# KiCad board Kanagawa_rgb_pico.kicad_pcb (continued)
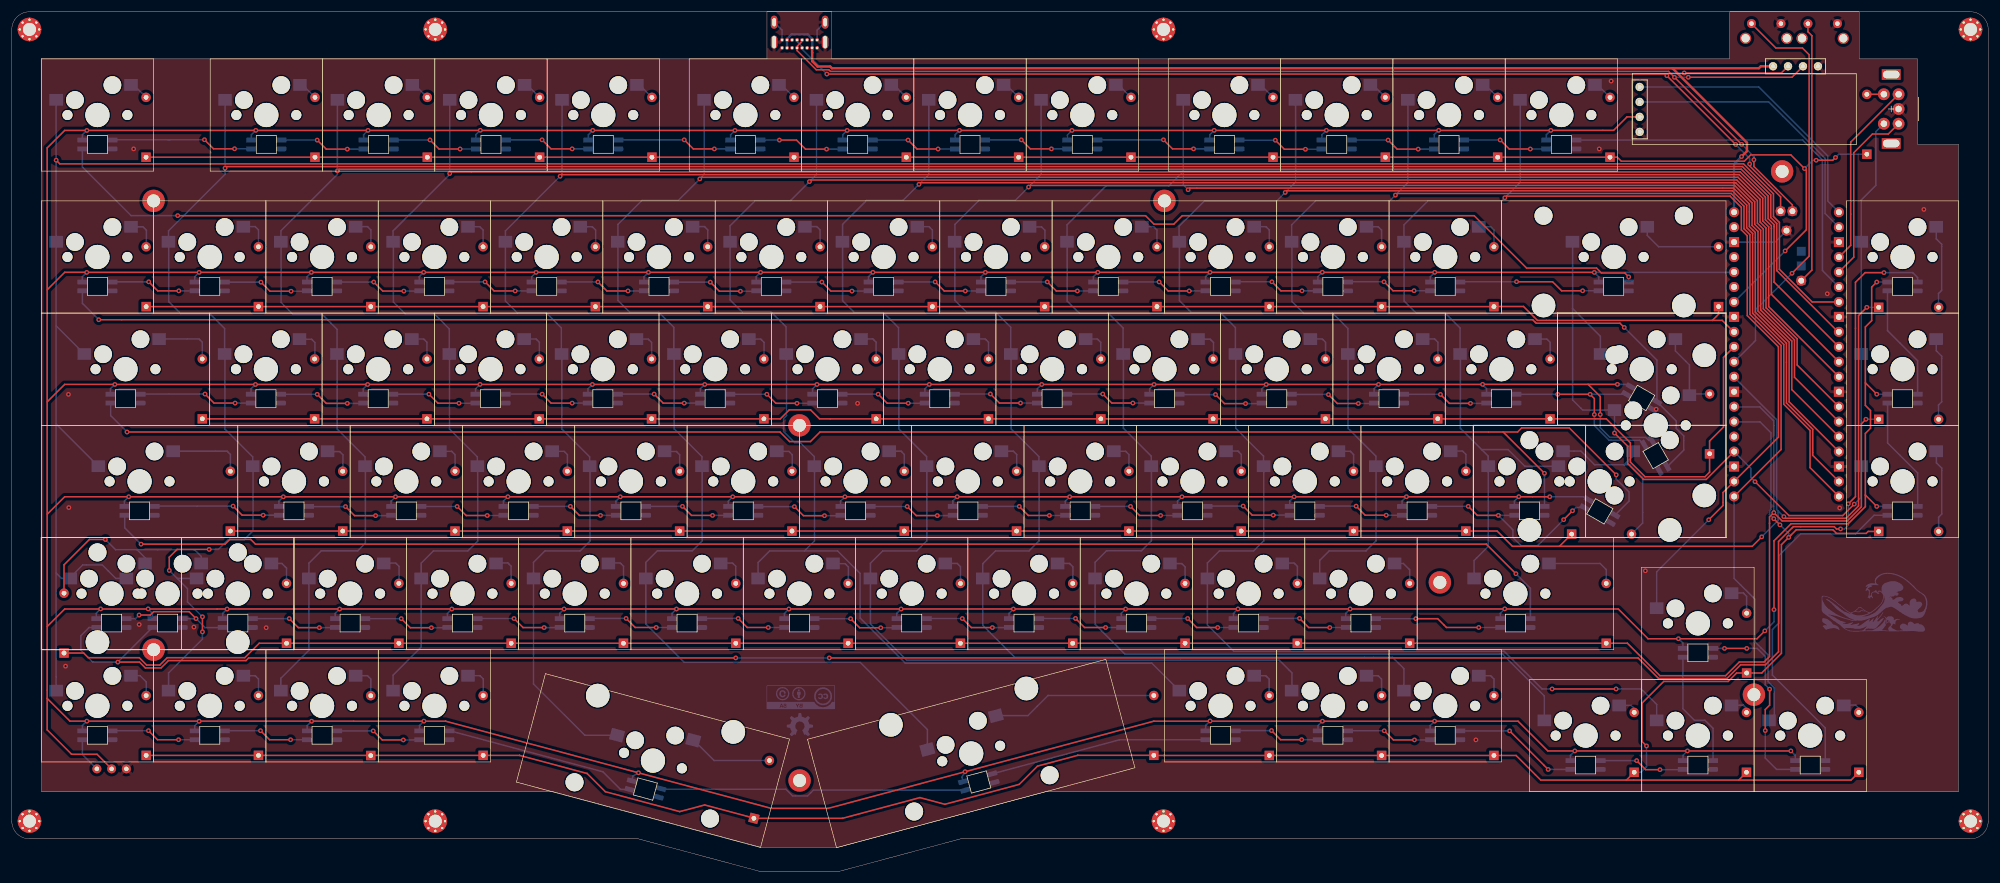
[diagram p0: board, top side]
## Routing (per net, layer and track width the routed paths; a pad name or vN(x,y) marks a point on that pad's centre or on a via; arc(x,y) is an arc through that point) (continued)
col04: length 378.4
  Top w0.254: U0.12 297.99,95.85 297.99,109.39 296.98,110.4 296.98,114.25 292.98,118.26 93.28,118.26 93,117.98 v1(93,117.98)
  Bottom w0.254: 93.29,87.71 93.29,75.06 98.01,70.34 KD4.1 ; 83.73,106.86 83.73,108.71 93.32,118.3 93.32,130.95 ; 93.21,87.81 93.21,92.23 90.67,94.77 85.75,94.77 83.72,96.8 83.72,106.85 ; KF4.1 97.19,23.08 88.49,31.78 KE4.1 88.49,52.44 90.43,54.38 96.41,54.38 98.07,56.04 98.07,68.69
col05: length 395.5
  Top w0.254: v1(116.69,117.53) 116.97,117.8 292.79,117.8 296.53,114.06 296.53,110.21 297.54,109.2 297.54,95.66 302.82,90.38 302.82,85.94 U0.14
  Bottom w0.254: 117.1,68.73 117.1,56.08 115.41,54.39 109.5,54.39 107.54,52.43 KE5.1 ; 102.81,106.88 102.81,109.8 106.89,113.88 113.04,113.88 v1(116.69,117.53) 117.44,118.27 117.44,130.92 ; 107.54,49.7 107.54,41.97 114.05,35.46 143.89,35.46 155.3,24.05 KF5.1 ; 102.8,106.96 102.8,96.91 104.83,94.88 109.75,94.88 112.29,92.34 112.29,87.92 ; KD5.1 117.06,70.38 112.35,75.09 112.35,87.74
col06: length 391.3
  Top w0.254: U0.15 302.37,83.85 302.37,90.19 297.08,95.47 297.08,109.01 296.08,110.01 296.08,113.84 292.58,117.34 135.56,117.34 v1(135.29,117.07)
  Bottom w0.254: KF6.1 193.36,35.32 151.55,35.32 143.89,42.98 143.89,50.55 140.06,54.38 134.44,54.38 ; 134.44,54.38 136.15,56.08 136.15,68.73 ; 134.44,54.38 128.55,54.38 126.59,52.42 KE6.1 ; 131.33,87.99 131.33,92.41 128.79,94.95 123.87,94.95 121.84,96.98 121.84,107.03 ; 136.49,130.92 136.49,118.27 v1(135.29,117.07) 132.07,113.85 132.07,113.83 126.09,113.83 121.83,109.57 121.83,106.86 ; KD6.1 136.11,70.38 133.75,72.75 132.81,72.75 130.9,74.66 130.9,76.83 131.4,77.33 131.4,87.74
col07: length 381.5
  Top w0.254: U0.16 301.91,81.77 301.91,90 296.63,95.29 296.63,108.81 295.62,109.82 295.62,113.65 292.39,116.88 154.14,116.88 v1(153.87,116.61)
  Bottom w0.254: 155.2,68.73 155.2,56.08 153.5,54.38 147.73,54.38 145.64,52.29 KE7.1 ; 140.91,106.88 140.91,109.8 144.99,113.88 151.15,113.88 v1(153.87,116.61) 155.54,118.28 ; 145.64,49.7 145.64,41.97 151.77,35.84 214.96,35.84 217.13,33.67 217.13,30.68 ; KD7.1 155.16,70.38 150.45,75.09 150.45,87.74 ; 155.54,118.27 155.54,130.92 ; 150.4,87.85 150.4,92.27 147.86,94.81 142.94,94.81 140.91,96.84 140.91,106.89
col08: length 365.4
  Top w0.254: U0.17 301.46,79.68 301.46,89.81 296.17,95.1 296.17,108.62 295.17,109.63 295.17,113.46 292.21,116.42 172.73,116.42 v1(172.46,116.15)
  Bottom w0.254: 236.11,30.66 236.11,34.4 234.19,36.32 170.11,36.32 164.69,41.74 164.69,49.71 ; 159.96,106.88 159.96,109.8 164.04,113.88 170.19,113.88 v1(172.46,116.15) 174.59,118.28 ; 159.95,106.97 159.95,96.91 161.98,94.88 166.9,94.88 169.44,92.34 169.44,87.93 ; 169.5,87.74 169.5,75.09 174.21,70.38 KD8.1 ; 174.25,68.73 174.25,56.08 172.53,54.37 166.85,54.37 164.69,52.21 KE8.1 ; 174.59,118.27 174.59,130.92
col09: length 358.3
  Top w0.254: U0.19 305.46,70.6 305.46,75.02 301,79.48 301,89.62 295.72,94.91 295.72,108.44 294.71,109.44 294.71,113.27 292.02,115.97 199.79,115.97 v1(199.52,115.69)
  Bottom w0.254: 198.7,118.78 196.26,116.34 185.59,116.34 178.98,109.72 178.98,106.8 ; 198.7,118.78 198.7,130.93 ; 198.7,118.78 198.7,116.51 v1(199.52,115.69) ; KF9.1 259.94,29.75 252.85,36.84 188.81,36.84 183.75,41.9 183.75,49.71 ; KE9.1 183.74,52.45 185.69,54.4 191.6,54.4 193.3,56.09 193.3,68.74 ; 179.01,106.84 179.01,96.78 181.04,94.75 185.96,94.75 188.5,92.21 188.5,87.8 ; KD9.1 193.26,70.46 188.55,75.17 188.55,87.82
col10: length 340.5
  Top w0.254: U0.20 305.01,68.51 305.01,74.82 300.55,79.28 300.55,89.43 295.27,94.71 295.27,108.25 294.26,109.25 294.26,113.08 291.83,115.51 216.26,115.51 v1(215.99,115.23) ; v1(261.26,30.94) v1(272.11,30.94)
  Bottom w0.254: v1(272.11,30.94) 276.37,30.94 278.99,28.32 278.99,25.62 ; v1(261.26,30.94) 259.56,30.94 254.58,35.88 253.12,37.34 207.26,37.34 202.79,41.81 KE10.1 202.79,52.33 204.84,54.38 210.63,54.38 212.35,56.09 212.35,68.74 ; KD10.1 212.31,70.46 207.6,75.17 207.6,87.82 ; 198,106.78 198,109.49 202.26,113.75 214.5,113.75 v1(215.99,115.23) 217.75,117 217.75,130.93 ; 198.05,106.91 198.05,96.86 200.08,94.83 205,94.83 207.54,92.29 207.54,87.87
col11: length 269.7
  Top w0.254: U0.21 300.1,71.6 300.1,89.24 294.81,94.53 294.81,108.06 293.81,109.06 293.81,112.88 291.63,115.06 234.96,115.06 v1(234.69,114.78)
  Bottom w0.254: 226.65,87.82 226.65,75.17 231.36,70.46 KD11.1 ; 217.12,106.77 217.12,96.72 219.15,94.69 224.07,94.69 226.61,92.15 226.61,87.73 ; KE11.1 221.84,52.78 223.44,54.38 229.69,54.38 231.4,56.09 231.4,68.74 ; KF11.1 298.95,26.52 298.95,31.14 297.89,32.2 297.89,36.72 295.65,38.96 295.65,46.18 292.12,49.71 292.12,63.63 ; 236.8,130.93 236.8,116.9 v1(234.69,114.78) 233.71,113.81 221.16,113.81 217.08,109.73 217.08,106.81
col12: length 241
  Top w0.254: U0.22 290.25,64.29 290.25,62.09 v1(287.82,59.66) ; v1(253.24,114.33) 253.51,114.6 291.44,114.6 293.35,112.7 293.35,108.88 294.36,107.87 294.36,94.32 299.64,89.04 299.64,73.69 292.11,66.16
  Bottom w0.254: 278.99,44.64 278.99,50.83 v1(287.82,59.66) ; KC12.1 245.65,92.22 243.11,94.76 238.19,94.76 236.16,96.79 236.16,106.84 ; 250.42,68.77 250.42,55.14 248.03,52.75 KE12.1 ; 255.85,130.93 255.85,116.94 v1(253.24,114.33) 252.72,113.81 240.21,113.81 236.13,109.73 236.13,106.81 ; 245.7,87.82 245.7,75.17 249.29,71.58 ; 249.29,71.58 250.41,70.46 KD12.1 ; 249.29,71.58 253.79,71.58 256.62,68.75 KDb12.1
col13: length 168.6
  Top w0.254: v1(271.84,74.38) 274.07,72.15 274.07,69.21 276.77,66.51 287.39,66.51 U0.24 ; v1(312.5,62.32) 310.56,60.37 301.43,60.37 v1(295.68,66.12)
  Bottom w0.254: 269.44,87.82 269.44,90.81 264.73,95.52 ; KC13.1 271.84,74.38 v1(271.84,74.38) ; 264.73,95.52 264.73,80.01 266.46,78.28 271.84,78.28 ; 264.73,95.52 264.73,106.78 ; 313.69,106.85 313.69,113.95 316.16,116.42 316.16,125.53 SWA13.S2 ; v1(312.5,62.32) 313.7,63.52 KF13.1 ; v1(295.68,66.12) 294.97,66.83 294.97,68.39 U0.24 ; KD13.1 313.7,68.75
D+: length 206
  Top w0.25: v1(284.36,134.79) 301.95,134.79 JUSB2.2 ; U0.TP3 302.01,113.12 295.48,119.64 v1(295.48,120.78) ; USB.A6 133.19,139.31 136.45,136.05 138.59,136.05 138.86,135.78 281.01,135.78 v1(293.4,123.39)
  Top w0.254: 134.05,140.89 133.19,140.03
  Bottom w0.25: v1(295.48,120.78) 295.48,121.32 295.48,121.32 v1(293.4,123.39) ; v1(282.01,134.78) 282.02,134.79 v1(284.36,134.79)
D-: length 202.2
  Top w0.25: U0.TP2 300.01,114.48 294.76,119.73 v1(294.76,120.07) ; v1(292.39,123.38) 280.44,135.33 v1(138.24,135.33) ; v1(283.67,135.51) 300.13,135.51 JUSB2.3
  Bottom w0.25: v1(138.24,135.33) 134.04,139.52 134.04,139.77 ; v1(292.39,123.38) 294.76,121.01 v1(294.76,120.07) ; v1(283.67,135.51) 281.18,135.51 v1(280.72,135.05)
  Bottom w0.254: 134.06,140 133.2,140.85
ENCA: length 30.9
  Top w0.254: SWA13.A 318.27,125.15 315.6,125.15 312.42,121.97 312.42,104.24 U0.5
ENCB: length 31.8
  Top w0.254: SWA13.B 311.9,123.78 311.9,123.78 311.9,106.25 309.91,104.26
RESET: length 69.4
  Top w0.254: v1(301.95,101.51) 304.85,104.41 304.85,138.61 303.71,139.75 299.21,139.75 295.07,143.89
  Bottom w0.254: v1(301.95,101.51) 295.75,95.31 295.75,90.09 292.1,86.44
RGB_Matrix: length 65.9
  Bottom w0.254: U0.6 307.11,101.97 307.11,120.76 303.75,124.12 265.35,124.12
RGB_Out: length 6
  Bottom w0.254: 14.43,17.37 11.98,19.82 KF0.4
row00: length 322.4
  Top w0.254: v1(309.32,121.17) 308.85,120.7 v1(306.05,120.7) ; DA0.1 271.08,121.21 ; v1(300.78,105.3) 304.38,108.9 304.38,118.97 v1(304.07,119.28) 301.74,121.61 294.94,121.61 293.86,120.53 272.99,120.53 272.31,121.21 DA12.1
  Bottom w0.254: DA13.1 309.87,121.72 v1(309.32,121.17) ; U0.34 v1(300.78,105.3) ; v1(306.05,120.7) 305.49,120.7 v1(304.07,119.28)
row01: length 273.9
  Top w0.254: DB0.1 251.39,95.85 ; 292.1,91.52 290.11,93.51 288.44,93.51 ; 288.44,93.51 289.49,94.56 289.49,95.85 ; 288.44,93.51 258.77,93.51 256.41,95.87 251.38,95.87
row02: length 286.2
  Top w0.254: DC12.1 270.45,76.8 274.54,72.71 274.54,69.45 277.02,66.97 287.19,66.97 287.96,67.74 DC13.1 287.96,73.03 290.33,75.4 290.33,87.23 U0.31 ; DC0.1 130.35,76.8 131.87,78.32 135.48,78.32 137,76.8 260.91,76.8
row03: length 347.1
  Top w0.254: 262.5,55.16 295.21,55.16 v1(296.81,56.76) ; 262.5,55.16 DD12.1 ; 262.5,55.16 254.52,55.16 251.93,57.75 DD11.1 ; v1(300.56,60.19) 300.84,59.92 311.13,59.92 313.23,62.02 313.23,94.33 v1(314.63,95.73) ; DD0.1 246.63,57.75
  Bottom w0.254: 292.1,83.9 299.34,76.66 299.34,61.42 v1(300.56,60.19) ; DD13.1 314.64,95.74 v1(314.63,95.73) ; 299.59,61.17 299.59,59.54 296.81,56.76 v1(296.81,56.76)
row04: length 377.1
  Top w0.254: DE0.1 12.18,37.04 12.97,36.25 21.62,36.25 22.87,35 25.11,35 26.36,36.25 39.52,36.25 41.97,38.7 DE1.1 274.03,38.7 279.54,33.19 290.68,33.19 293.01,35.52 297.2,35.52 298.13,36.45 298.13,59.08 298.13,59.08 298.13,60.14 v1(298.86,60.87) 300.26,59.47 311.32,59.47 313.71,61.86 313.71,75.95 v1(314.49,76.73)
  Bottom w0.254: DE13.1 314.49,76.73 v1(314.49,76.73) ; v1(298.86,60.87) 298.86,76.44 296.48,78.82 292.1,78.82
row05: length 405.1
  Top w0.254: DF4.1 140.88,8.98 154.03,12.5 ; 273.85,15.47 259.33,15.47 255.15,19.65 DF8.1 193.72,19.65 ; 273.85,15.47 292.9,15.47 ; 273.85,15.47 273.86,15.47 275.19,16.8 ; DF0.1 79.97,19.66 ; DF13.1 314.86,57.69 314.53,57.35 309.5,57.35 308.89,57.96 302.67,57.96 301.7,57 301.7,56.99 v1(301.38,56.67) 300.15,55.44 300.15,36.99 296.81,33.65 DF12.1 292.55,33.65 291.12,32.22 280.19,32.22 276.51,28.54 276.51,22.03 v1(277.27,21.27) ; 173.97,17.84 180.8,19.67 180.8,19.67 DF5.1 ; DF3.1 86.12,19.66 86.12,19.66 97.58,16.59 97.58,16.59 100.67,13.5 113.29,10.12 ; v1(298.86,59.84) v1(299.9,58.8) ; 292.9,15.47 292.91,15.47 294.24,16.8 ; 292.9,15.47 311.96,15.47 313.3,16.81 ; 154.04,12.49 158.26,11.36 170.87,14.74 ; 117.51,11.25 113.29,10.12 ; 117.54,11.24 125.87,9.01 ; 173.97,17.83 170.88,14.74
  Bottom w0.254: v1(299.9,58.8) 301.38,57.32 v1(301.38,56.67) ; DF9.1 276.32,16.8 277.27,17.75 v1(277.27,21.27) ; 292.1,76.28 296.53,76.28 298.38,74.43 298.38,61.44 298.13,61.19 298.13,60.57 v1(298.86,59.84)
SCL: length 48.1
  Bottom w0.254: 309.91,109.31 307.56,111.66 307.56,121.02 297.98,130.6 276.08,130.6
SDA: length 47.1
  Bottom w0.254: 276.04,133.13 296.31,133.13 308.02,121.42 308.02,113.76 U0.1
Net-(DA0-A): length 3.4
  Bottom w0.254: 20.22,133.5 20.65,133.5 DA0.2
Net-(DA1-A): length 3.4
  Bottom w0.254: 48.87,133.51 49.29,133.51 DA1.2
Net-(DA2-A): length 3.4
  Bottom w0.254: 67.92,133.5 68.35,133.5 DA2.2
Net-(DA3-A): length 3.4
  Bottom w0.254: 86.97,133.5 87.4,133.5 DA3.2
Net-(DA4-A): length 3.5
  Bottom w0.254: DA4.2 106.44,133.51 106.01,133.51
Net-(DA5-A): length 3.4
  Bottom w0.254: 130.12,133.5 130.55,133.5 DA5.2
Net-(DA6-A): length 3.4
  Bottom w0.254: 149.17,133.49 149.61,133.49 DA6.2
Net-(DA7-A): length 3.4
  Bottom w0.254: 168.22,133.5 168.65,133.5 DA7.2
Net-(DA8-A): length 3.4
  Bottom w0.254: 187.27,133.5 187.7,133.5 DA8.2
Net-(DA9-A): length 3.4
  Bottom w0.254: DA9.2 211.81,133.49 211.38,133.49
Net-(DA10-A): length 3.4
  Bottom w0.254: DA10.2 230.85,133.5 230.43,133.5
Net-(DA11-A): length 3.4
  Bottom w0.254: 249.47,133.5 249.9,133.5 DA11.2
Net-(DA12-A): length 3.4
  Bottom w0.254: 268.53,133.5 268.95,133.5 DA12.2
Net-(DB0-A): length 5.6
  Bottom w0.254: 22.83,106 22.83,108.83 22.27,109.39 20.27,109.39
Net-(DB1-A): length 5.6
  Bottom w0.254: 41.84,106.04 41.84,108.87 41.28,109.43 39.28,109.43
Net-(DB2-A): length 5.6
  Bottom w0.254: 60.9,106.04 60.9,108.87 60.34,109.43 58.34,109.43
Net-(DB3-A): length 5.6
  Bottom w0.254: 79.94,106.02 79.94,108.85 79.38,109.41 77.38,109.41
Net-(DB4-A): length 5.6
  Bottom w0.254: 96.47,109.4 98.47,109.4 99.03,108.84 99.03,106.01
Net-(DB5-A): length 5.6
  Bottom w0.254: 118.04,106.05 118.04,108.88 117.48,109.44 115.48,109.44
Net-(DB6-A): length 5.6
  Bottom w0.254: 137.1,106.05 137.1,108.88 136.54,109.44 134.54,109.44
Net-(DB7-A): length 5.6
  Bottom w0.254: 156.14,106.03 156.14,108.86 155.58,109.42 153.58,109.42
Net-(DB8-A): length 5.6
  Bottom w0.254: 172.66,109.38 174.66,109.38 175.22,108.82 175.22,105.99
Net-(DB9-A): length 5.6
  Bottom w0.254: 194.23,106.03 194.23,108.86 193.67,109.42 191.67,109.42
Net-(DB10-A): length 5.6
  Bottom w0.254: 213.29,106.03 213.29,108.86 212.73,109.42 210.73,109.42
Net-(DB11-A): length 5.6
  Bottom w0.254: 229.77,109.4 231.77,109.4 232.33,108.84 232.33,106.01
Net-(DB12-A): length 5.6
  Bottom w0.254: 248.83,109.42 250.83,109.42 251.39,108.86 251.39,106.03
Net-(DB13-A): length 14.3
  Bottom w0.254: KB13.2 277.4,107.93 279.31,106.02 289.49,106.02
Net-(DC0-A): length 10.4
  Bottom w0.254: 24.99,90.36 31.75,90.36 32.31,89.8 32.31,86.97
Net-(DC1-A): length 5.6
  Bottom w0.254: 48.85,90.31 50.85,90.31 51.41,89.75 51.41,86.92
Net-(DC2-A): length 5.6
  Bottom w0.254: 70.42,86.96 70.42,89.79 69.86,90.35 67.86,90.35
Net-(DC3-A): length 5.6
  Bottom w0.254: 89.48,86.96 89.48,89.79 88.92,90.35 86.92,90.35
Net-(DC4-A): length 5.6
  Bottom w0.254: 108.52,86.94 108.52,89.77 107.96,90.33 105.96,90.33
Net-(DC5-A): length 5.6
  Bottom w0.254: 125.03,90.33 127.03,90.33 127.59,89.77 127.59,86.94
Net-(DC6-A): length 5.6
  Bottom w0.254: 146.6,86.98 146.6,89.81 146.04,90.37 144.04,90.37
Net-(DC7-A): length 5.6
  Bottom w0.254: 165.66,86.98 165.66,89.81 165.1,90.37 163.1,90.37
Net-(DC8-A): length 5.6
  Bottom w0.254: 182.14,90.35 184.14,90.35 184.7,89.79 184.7,86.96
Net-(DC9-A): length 5.6
  Bottom w0.254: 203.82,86.93 203.82,89.76 203.26,90.32 201.26,90.32
Net-(DC10-A): length 5.6
  Bottom w0.254: 220.27,90.36 222.27,90.36 222.83,89.8 222.83,86.97
Net-(DC11-A): length 5.6
  Bottom w0.254: 241.89,86.97 241.89,89.8 241.33,90.36 239.33,90.36
Net-(DC12-A): length 5.6
  Bottom w0.254: 260.93,86.95 260.93,89.78 260.37,90.34 258.37,90.34
Net-(DD0-A): length 12.8
  Bottom w0.254: 27.37,71.31 36.52,71.31 37.08,70.75 37.08,67.92
Net-(DD1-A): length 5.6
  Bottom w0.254: 56.17,67.85 56.17,70.68 55.61,71.24 53.61,71.24
Net-(DD2-A): length 5.6
  Bottom w0.254: 75.18,67.89 75.18,70.72 74.62,71.28 72.62,71.28
Net-(DD3-A): length 5.6
  Bottom w0.254: 91.68,71.28 93.68,71.28 94.24,70.72 94.24,67.89
Net-(DD4-A): length 5.6
  Bottom w0.254: 113.28,67.87 113.28,70.7 112.72,71.26 110.72,71.26
Net-(DD5-A): length 5.6
  Bottom w0.254: 129.81,71.27 131.81,71.27 132.37,70.71 132.37,67.88
Net-(DD6-A): length 5.6
  Bottom w0.254: 151.38,67.92 151.38,70.75 150.82,71.31 148.82,71.31
Net-(DD7-A): length 5.6
  Bottom w0.254: 167.88,71.31 169.88,71.31 170.44,70.75 170.44,67.92
Net-(DD8-A): length 5.6
  Bottom w0.254: 186.92,71.29 188.92,71.29 189.48,70.73 189.48,67.9
Net-(DD9-A): length 5.6
  Bottom w0.254: 205.97,71.32 207.97,71.32 208.53,70.76 208.53,67.93
Net-(DD10-A): length 5.6
  Bottom w0.254: 225.03,71.29 227.03,71.29 227.59,70.73 227.59,67.9
Net-(DD11-A): length 5.6
  Bottom w0.254: 244.07,71.33 246.07,71.33 246.63,70.77 246.63,67.94
Net-(DD13-A): length 14.3
  Bottom w0.254: 326.41,109.4 326.41,107.36 327.33,106.44 327.33,98.64 ; 326.79,95.66 326.79,98.07 327.33,98.61
Net-(DE1-A): length 5.5
  Bottom w0.254: 44.04,52.25 45.81,52.25 46.6,51.46 DE1.2
Net-(DE2-A): length 5.6
  Bottom w0.254: 63.13,52.3 65.13,52.3 65.69,51.74 65.69,48.91
Net-(DE3-A): length 5.6
  Bottom w0.254: 82.14,52.34 84.14,52.34 84.7,51.78 84.7,48.95
Net-(DE4-A): length 5.6
  Bottom w0.254: 103.76,48.95 103.76,51.78 103.2,52.34 101.2,52.34
Net-(DE5-A): length 5.6
  Bottom w0.254: 122.8,48.93 122.8,51.76 122.24,52.32 120.24,52.32
Net-(DE6-A): length 5.6
  Bottom w0.254: 141.9,48.82 141.9,51.65 141.34,52.21 139.34,52.21
Net-(DE7-A): length 5.6
  Bottom w0.254: 158.35,52.25 160.35,52.25 160.91,51.69 160.91,48.86
Net-(DE8-A): length 5.6
  Bottom w0.254: 179.97,48.86 179.97,51.69 179.41,52.25 177.41,52.25
Net-(DE9-A): length 5.6
  Bottom w0.254: 196.45,52.23 198.45,52.23 199.01,51.67 199.01,48.84
Net-(DE10-A): length 5.6
  Bottom w0.254: 215.5,52.31 217.5,52.31 218.06,51.75 218.06,48.92
Net-(DE11-A): length 5.3
  Bottom w0.254: DE11.2 237.1,51.17 236.02,52.24 KE11.2
Net-(DE12-A): length 12.5
  Bottom w0.254: 270.44,48.86 270.44,51.2 269.39,52.24 KE12.2
Net-(DE13-A): length 14.3
  Bottom w0.254: 326.41,90.4 326.41,88.36 327.33,87.44 327.33,79.67 ; 327.33,79.68 326.79,79.14 326.79,76.73 ; 326.4,90.35 326.4,90.35
Net-(DF0-A): length 5.3
  Bottom w0.254: KF0.2 21.75,33.19 22.81,32.14 22.81,29.82
Net-(DF1-A): length 5.6
  Bottom w0.254: 41.84,29.8 41.84,32.63 41.28,33.19 39.28,33.19
Net-(DF2-A): length 5.6
  Bottom w0.254: 58.33,33.19 60.33,33.19 60.89,32.63 60.89,29.8
Net-(DF3-A): length 5.6
  Bottom w0.254: 77.41,33.19 79.41,33.19 79.97,32.64 79.97,29.8
Net-(DF4-A): length 14.2
  Bottom w0.254: DF4.2 119.12,18.79 115.7,22.21
Net-(DF5-A): length 28.2
  Bottom w0.254: DF5.2 175.75,29.83 172.34,26.42 166.94,26.42
Net-(DF6-A): length 5.6
  Bottom w0.254: 213.27,29.78 213.27,32.62 212.71,33.17 210.71,33.17
Net-(DF7-A): length 5.6
  Bottom w0.254: 229.77,33.17 231.77,33.17 232.33,32.62 232.33,29.78
Net-(DF8-A): length 5.6
  Bottom w0.254: 248.84,33.17 250.84,33.17 251.4,32.62 251.4,29.78
Net-(DF9-A): length 3.4
  Bottom w0.254: 272.65,28.15 274.65,28.15 275.19,27.61 275.19,26.96
Net-(DF10-A): length 3.5
  Bottom w0.254: 294.24,26.96 294.24,27.65 293.7,28.19 291.7,28.19
Net-(DF11-A): length 3.5
  Bottom w0.254: 313.3,26.96 313.3,27.65 312.74,28.21 310.74,28.21
Net-(DF12-A): length 5.6
  Bottom w0.254: 291.69,47.24 293.69,47.24 294.25,46.68 294.25,43.85
Net-(DF13-A): length 14.3
  Bottom w0.254: DF13.2 326.81,60.09 327.35,60.63 327.35,68.42 326.43,69.34 326.43,71.38 ; 326.38,71.31 326.39,71.3

## Copper pours and planes (outline as drawn; the poured copper is in the pictures)
GND on Top: 342.19,-1.39 -2.34,-2.37 -1.87,148.9 341.77,149.25
GND on Bottom: 342.14,-1.45 -2.39,-2.43 -1.92,148.84 341.72,149.19

## Text on the board
B.Silkscreen: ISO | ANSI | RGB matrix / Output | VCC | GND | D- | +5V | D+ | Holes to solder to the back of the Pico. / Solder diodes' legs on the / Pico first to make it easier. | JLCJLCJLCJLC | Kanagawa - rev 2.0 by Ciaanh
